# Altium PCB bms_mainboard-1_1.PcbDoc (part 2 of 7)
Units mm, origin at the board's own origin, x right, y up, seen from the top; angles counter-clockwise.
Board outline 287.5 x 127.76 mm, 6 copper layers (L1, L2, L3, L4, L5, L6), stack 1.853 mm thick; 841 components, 653 nets, 2906 pads, 1959 vias.
Unrouted connection lines stored in the file: 199.
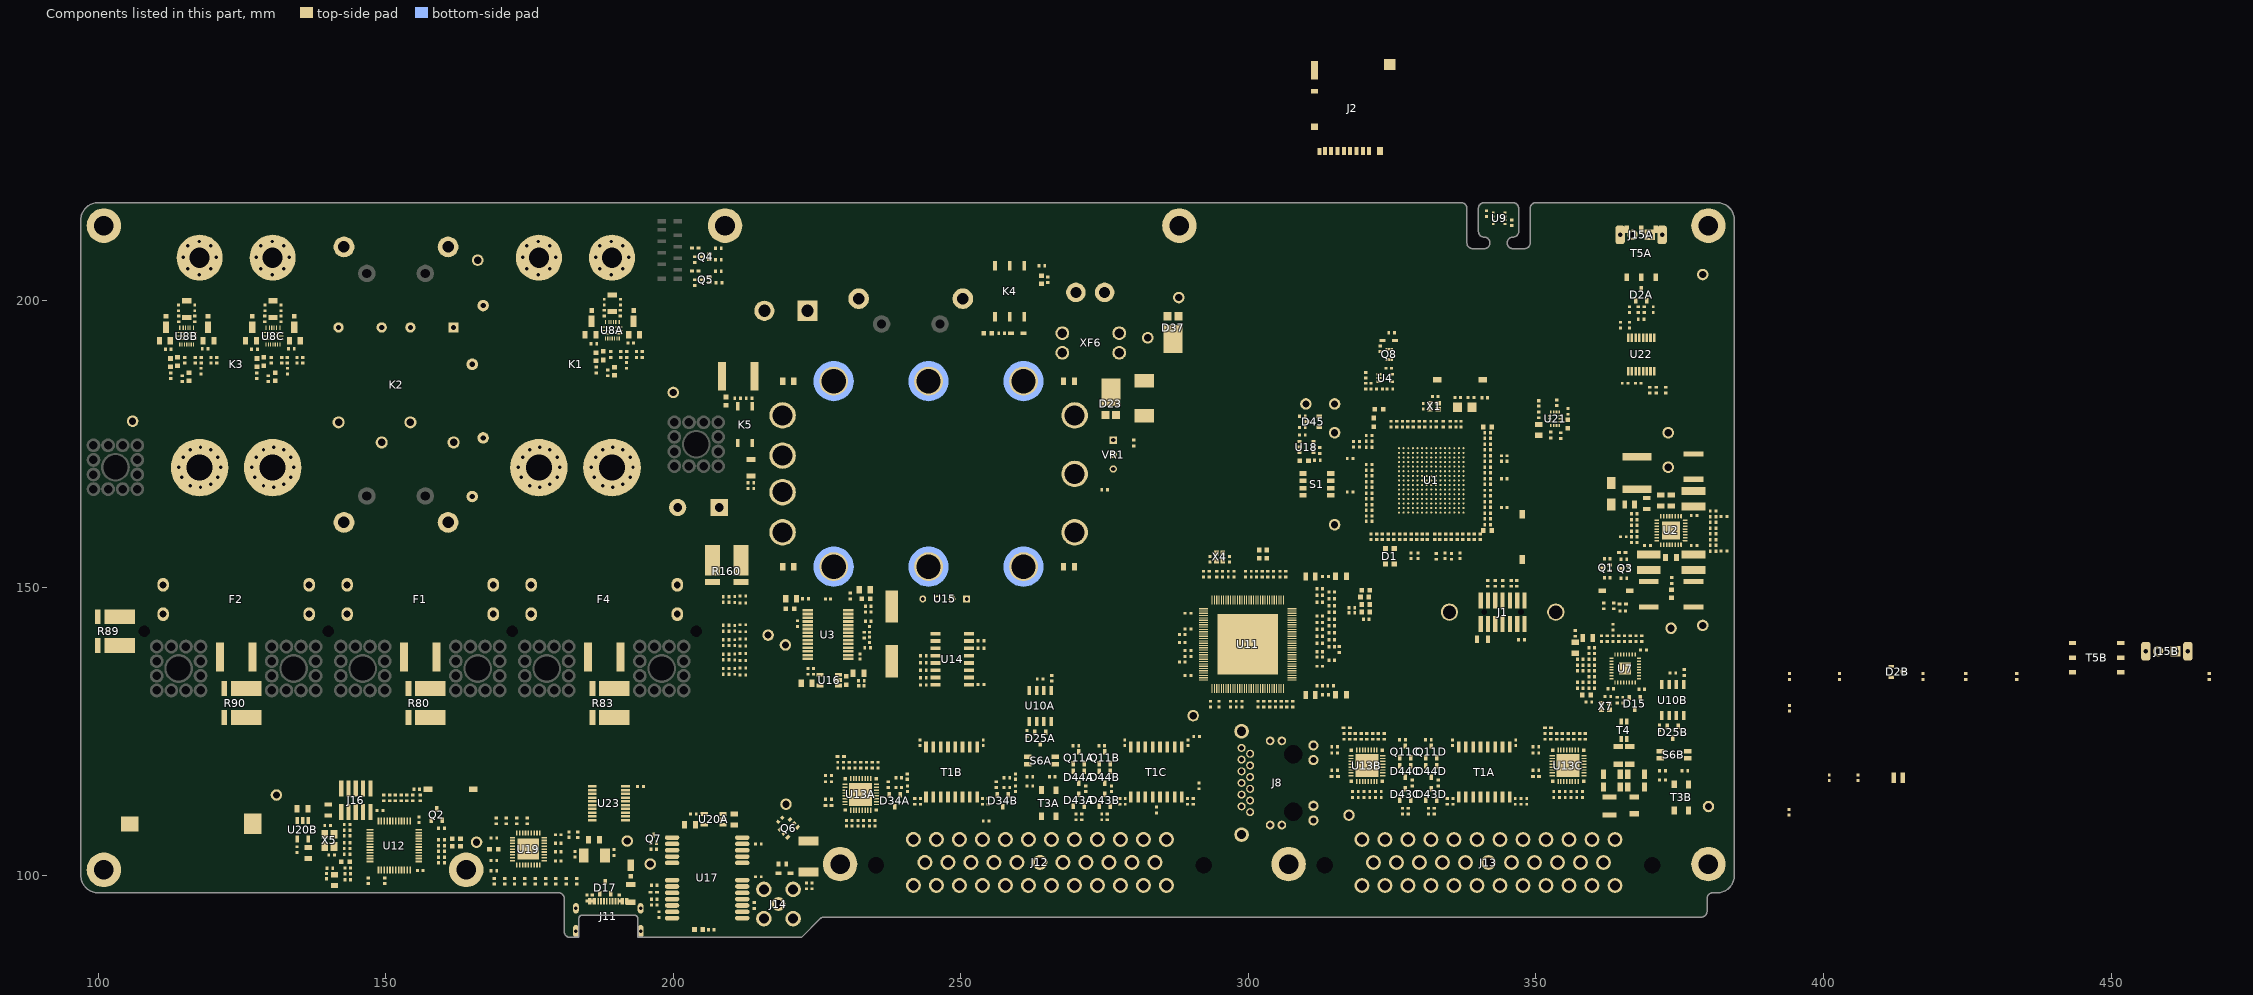
[diagram p6: the components of this part, seen from the top]

## Components (designator, comment, footprint, x,y, rotation, side; value= is the part's Value field where it differs from the comment) (continued)
R130 "0402WGF2201TCE" R0402 314.5,141 r180 top value=2.2k
R131 "0402WGF330JTCE" R0402 314.5,139.8 r180 top value=33
R132 "0402WGF1001TCE" R0402 264.1,206 r0 top value=1k
R133 "0402WGF2201TCE" R0402 315.8,139.3 r270 top value=2.2k
R134 "0402WGF330JTCE" R0402 306.5,152.4 r90 top value=33
R135A "FRC0402F10R0TS" R0402 188,197.8 r90 top value=10 (schematic designator R135)
R135B "FRC0402F10R0TS" R0402 114,196.8 r90 top value=10 (schematic designator R135)
R135C "FRC0402F10R0TS" R0402 129,196.8 r90 top value=10 (schematic designator R135)
R136A "0402WGF1002TCE" R0402 194.6,190.6 r90 top value=10k (schematic designator R136)
R136B "0402WGF1002TCE" R0402 120.6,189.6 r90 top value=10k (schematic designator R136)
R136C "0402WGF1002TCE" R0402 135.6,189.6 r90 top value=10k (schematic designator R136)
R137A "0402WGF1002TCE" R0402 186.2,192.5 r0 top value=10k (schematic designator R137)
R137B "0402WGF1002TCE" R0402 112.2,191.5 r0 top value=10k (schematic designator R137)
R137C "0402WGF1002TCE" R0402 127.2,191.5 r0 top value=10k (schematic designator R137)
R138A "0402WGF4701TCE" R0402 186.6,187.9 r90 top value=4.7k (schematic designator R138)
R138B "0402WGF4701TCE" R0402 112.6,186.9 r90 top value=4.7k (schematic designator R138)
R138C "0402WGF4701TCE" R0402 127.6,186.9 r90 top value=4.7k (schematic designator R138)
R139A "FRC0402F10R0TS" R0402 190.8,197.8 r90 top value=10 (schematic designator R139)
R139B "FRC0402F10R0TS" R0402 116.8,196.8 r90 top value=10 (schematic designator R139)
R139C "FRC0402F10R0TS" R0402 131.8,196.8 r90 top value=10 (schematic designator R139)
R140A "0402WGF1002TCE" R0402 188.6,187.4 r90 top value=10k (schematic designator R140)
R140B "0402WGF1002TCE" R0402 114.6,186.4 r90 top value=10k (schematic designator R140)
R140C "0402WGF1002TCE" R0402 129.6,186.4 r90 top value=10k (schematic designator R140)
R141A "0402WGF1003TCE" R0402 190.9,190.6 r270 top value=100k (schematic designator R141)
R141B "0402WGF1003TCE" R0402 116.9,189.6 r270 top value=100k (schematic designator R141)
R141C "0402WGF1003TCE" R0402 131.9,189.6 r270 top value=100k (schematic designator R141)
R142A "0402WGF0000TCE" R0402 192.6,192.6 r180 top value=0m (schematic designator R142)
R142B "0402WGF0000TCE" R0402 118.6,191.6 r180 top value=0m (schematic designator R142)
R142C "0402WGF0000TCE" R0402 133.6,191.6 r180 top value=0m (schematic designator R142)
R143A "0402WGF1001TCE" R0402 189.1,190.6 r270 top value=1k (schematic designator R143)
R143B "0402WGF1001TCE" R0402 115.1,189.6 r270 top value=1k (schematic designator R143)
R143C "0402WGF1001TCE" R0402 130.1,189.6 r270 top value=1k (schematic designator R143)
R144A "0402WGF1002TCE" R0402 191.9,190.6 r90 top value=10k (schematic designator R144)
R144B "0402WGF1002TCE" R0402 117.9,189.6 r90 top value=10k (schematic designator R144)
R144C "0402WGF1002TCE" R0402 132.9,189.6 r90 top value=10k (schematic designator R144)
R145A "HP06W2F130KT5E" R1206 189.4,199.5 r270 top value=1.3 (schematic designator R145)
R145B "HP06W2F130KT5E" R1206 115.4,198.5 r270 top value=1.3 (schematic designator R145)
R145C "HP06W2F130KT5E" R1206 130.4,198.5 r270 top value=1.3 (schematic designator R145)
R146 "0402WGF1002TCE" R0402 357.7,133.6 r0 top value=10k
R147 "0402WGF1002TCE" R0402 359.7,134.6 r0 top value=10k
R148 "0402WGF1002TCE" R0402 366.4,141.2 r270 top value=10k
R149 "0402WGF330JTCE" R0402 359.7,136.6 r180 top value=33
R150 "0402WGF330JTCE" R0402 359.7,139.6 r180 top value=33
R151 "0402WGF330JTCE" R0402 362.4,141.2 r90 top value=33
R152 "0402WGF330JTCE" R0402 368.4,141.2 r90 top value=33
R153 "0402WGF330JTCE" R0402 359.7,137.6 r180 top value=33
R154 "0402WGF3300TCE" R0402 364.1,130.5 r270 top value=330
R155 "0402WGF1001TCE" R0402 213.2,183 r180 top value=1k
R156 "0402WGF1001TCE" R0402 211.2,183 r180 top value=1k
R157 "0402WGF330JTCE" R0402 359.7,133.6 r180 top value=33
R158 "0402WGF330JTCE" R0402 359.7,132.6 r180 top value=33
R159 "0402WGF330JTCE" R0402 364.4,141.2 r90 top value=33
R160 "WSL27265L000FEB" VISHAY_WSL2726 209.3,153.1 r0 top
R161A "0402WGF330JTCE" R0402 265.8,134.3 r270 top value=33 (schematic designator R161)
R161B "0402WGF330JTCE" R0402 375.8,135.3 r270 top value=33 (schematic designator R161)
R162A "FRC0402F60R4TS" R0402 262,117.2 r0 top value=60.4 (schematic designator R162)
R162B "FRC0402F60R4TS" R0402 372,118.2 r0 top value=60.4 (schematic designator R162)
R163A "FRC0402F60R4TS" R0402 265.9,117.2 r0 top value=60.4 (schematic designator R163)
R163B "FRC0402F60R4TS" R0402 375.9,118.2 r0 top value=60.4 (schematic designator R163)
R164 "0402WGF1001TCE" R0402 303.4,152.4 r270 top value=1k
R165 "0402WGF1001TCE" R0402 302.4,152.4 r270 top value=1k
R166 "CRCW04021R00FKED" R0402 313.4,131.4 r180 top value=1
R167 "CRCW04021R00FKED" R0402 313.4,152 r180 top value=1
R168 "0402WGF1001TCE" R0402 314.5,146.9 r180 top value=1k
R169 "0402WGF1001TCE" R0402 312.4,147.5 r180 top value=1k
R170 "0402WGF1001TCE" R0402 314.5,145.8 r180 top value=1k
R171 "0402WGF1001TCE" R0402 318,146.6 r180 top value=1k
R172 "0402WGF330JTCE" R0402 359.7,135.6 r180 top value=33
R173 "0402WGF330JTCE" R0402 302.7,129.8 r90 top value=33
R174 "0402WGF330JTCE" R0402 303.7,129.8 r90 top value=33
R175 "0402WGF330JTCE" R0402 312.4,133 r180 top value=33
R176 "0402WGF2201TCE" R0402 314.3,133 r180 top value=2.2k
R177 "0402WGF1002TCE" R0402 357.7,135.6 r180 top value=10k
R178 "0402WGF330JTCE" R0402 307.7,129.8 r90 top value=33
R179 "0402WGF330JTCE" R0402 306.7,129.8 r90 top value=33
R180 "0402WGF2201TCE" R0402 305.7,129.8 r270 top value=2.2k
R181 "0402WGF3300TCE" R0402 312.4,144 r0 top value=330
R182 "0402WGF3300TCE" R0402 314.5,144.6 r0 top value=330
R183 "0402WGF1002TCE" R0402 357.7,132.6 r180 top value=10k
R184 "0402WGF1002TCE" R0402 357.7,137.6 r180 top value=10k
R185 "0402WGF1002TCE" R0402 361.4,141.2 r270 top value=10k
R186 "0402WGF3300TCE" R0402 294.5,152.4 r90 top value=330
R187 "0402WGF1002TCE" R0402 357.7,136.6 r180 top value=10k
R188 "0402WGF1002TCE" R0402 312.4,149.9 r180 top value=10k
R189 "0402WGF6041TCE" R0402 293.2,152.4 r90 top value=6.04k
R190 "0402WGF330JTCE" R0402 365.4,141.2 r90 top value=33
R191 "0402WGF330JTCE" R0402 363.4,141.2 r90 top value=33
R192 "0402WGF330JTCE" R0402 368.4,132.4 r0 top value=33
R193 "0402WGF4701TCE" R0402 143.4,100.3 r180 top value=4.7k
R194 "0402WGF4701TCE" R0402 143.4,99.3 r180 top value=4.7k
R195 "0402WGF3300TCE" R0402 143.3,105.7 r180 top value=330
R196 "0402WGF330JTCE" R0402 147,99.1 r90 top value=33
R197 "0402WGF330JTCE" R0402 149.8,99.1 r90 top value=33
R198 "0402WGF1001TCE" R0402 159.7,106.2 r180 top value=1k
R199 "CRCW04021R00FKED" R0402 140.3,101.3 r180 top value=1
R200 "0402WGF1001TCE" R0402 159.7,105.2 r180 top value=1k
R201 "0402WGF1002TCE" R0402 156,113.5 r270 top value=10k
R202 "RC0402FR-07100RL" R0402 153.7,113.5 r270 top value=100
R203 "0402WGF3302TCE" R0402 154.7,113.5 r270 top value=33k
R204 "0402WGF1501TCE" R0402 159.7,108.2 r180 top value=1.5k
R205 "ERJP06F1000V" R0805 140,111.4 r270 top value=100
R206 "0402WGF330JTCE" R0402 151.7,113.5 r90 top value=33
R207 "0402WGF330JTCE" R0402 152.7,113.5 r90 top value=33
R208 "0402WGF330JTCE" R0402 150.7,113.5 r90 top value=33
R209 "0402WGF1002TCE" R0402 143.3,103.7 r0 top value=10k
R210 "0402WGF330JTCE" R0402 155.4,115 r0 top value=33
R211 "0402WGF1001TCE" R0402 149.7,113.5 r90 top value=1k
R212 "0402WGF330JTCE" R0402 159.7,102.2 r180 top value=33
R213 "0402WGF330JTCE" R0402 159.7,103.2 r180 top value=33
R214 "0402WGF330JTCE" R0402 159.7,104.2 r180 top value=33
R215 "0402WGF1002TCE" R0402 143.3,107.9 r180 top value=10k
R216 "0402WGF1002TCE" R0402 143.3,106.9 r180 top value=10k
R217A "0402WGF5101TCE" R0402 237.4,115.8 r90 top value=5.1k (schematic designator R217)
R217B "0402WGF5101TCE" R0402 256.2,115.8 r90 top value=5.1k (schematic designator R217)
R218A "0402WGF5101TCE" R0402 239.2,117 r180 top value=5.1k (schematic designator R218)
R218B "0402WGF5101TCE" R0402 258,117 r180 top value=5.1k (schematic designator R218)
R219A "0402WGF3300TCE" R0402 227,117.4 r0 top value=330 (schematic designator R219)
R219B "0402WGF3300TCE" R0402 315,122.4 r0 top value=330 (schematic designator R219)
R219C "0402WGF3300TCE" R0402 350,122.4 r0 top value=330 (schematic designator R219)
R220A "0402WGF4701TCE" R0402 227,113.3 r180 top value=4.7k (schematic designator R220)
R220B "0402WGF4701TCE" R0402 315,118.3 r180 top value=4.7k (schematic designator R220)
R220C "0402WGF4701TCE" R0402 350,118.3 r180 top value=4.7k (schematic designator R220)
R221A "0402WGF4701TCE" R0402 235.6,119.2 r90 top value=4.7k (schematic designator R221)
R221B "0402WGF4701TCE" R0402 323.6,124.2 r90 top value=4.7k (schematic designator R221)
R221C "0402WGF4701TCE" R0402 358.6,124.2 r90 top value=4.7k (schematic designator R221)
R222A "0402WGF4701TCE" R0402 234.6,119.2 r90 top value=4.7k (schematic designator R222)
R222B "0402WGF4701TCE" R0402 322.6,124.2 r90 top value=4.7k (schematic designator R222)
R222C "0402WGF4701TCE" R0402 357.6,124.2 r90 top value=4.7k (schematic designator R222)
R223A "0402WGF1001TCE" R0402 233.6,119.2 r90 top value=1k (schematic designator R223)
R223B "0402WGF1001TCE" R0402 321.6,124.2 r90 top value=1k (schematic designator R223)
R223C "0402WGF1001TCE" R0402 356.6,124.2 r90 top value=1k (schematic designator R223)
R224A "0402WGF1001TCE" R0402 232.6,119.2 r90 top value=1k (schematic designator R224)
R224B "0402WGF1001TCE" R0402 320.6,124.2 r90 top value=1k (schematic designator R224)
R224C "0402WGF1001TCE" R0402 355.6,124.2 r90 top value=1k (schematic designator R224)
R225A "0402WGF1001TCE" R0402 231.6,119.2 r90 top value=1k (schematic designator R225)
R225B "0402WGF1001TCE" R0402 319.6,124.2 r90 top value=1k (schematic designator R225)
R225C "0402WGF1001TCE" R0402 354.6,124.2 r90 top value=1k (schematic designator R225)
R226A "0402WGF1001TCE" R0402 230.6,119.2 r90 top value=1k (schematic designator R226)
R226B "0402WGF1001TCE" R0402 318.6,124.2 r90 top value=1k (schematic designator R226)
R226C "0402WGF1001TCE" R0402 353.6,124.2 r90 top value=1k (schematic designator R226)
R227A "0402WGF3300TCE" R0402 229.6,119.2 r270 top value=330 (schematic designator R227)
R227B "0402WGF3300TCE" R0402 317.6,124.2 r270 top value=330 (schematic designator R227)
R227C "0402WGF3300TCE" R0402 352.6,124.2 r270 top value=330 (schematic designator R227)
R228 "0402WGF330JTCE" R0402 243.5,138.2 r0 top value=33
R229 "0402WGF330JTCE" R0402 243.5,134.4 r0 top value=33
R230 "0402WGF330JTCE" R0402 243.5,135.7 r0 top value=33
R231 "0402WGF330JTCE" R0402 243.5,137 r0 top value=33
R232 "0402WGF330JTCE" R0402 253.5,140.8 r0 top value=33
R233 "0402WGF330JTCE" R0402 253.5,139.5 r0 top value=33
R234 "CRCW04021R00FKED" R0402 232.7,133.9 r180 top value=1
R235 "1206W4F1002T5E" R1206 363.2,117.6 r180 top value=10k
R236 "1206W4F1002T5E" R1206 367.4,117.6 r0 top value=10k
R237 "FRC1206F49R9TS" R1206 363.2,115.4 r180 top value=49.9
R238 "FRC1206F49R9TS" R1206 367.4,115.4 r0 top value=49.9
R239 "0402WGF1002TCE" R0402 363.4,143.2 r90 top value=10k
R240 "1206W4F1003T5E" R1206 367.1,112.2 r270 top value=100k
R241 "CRCW04021R00FKED" R0402 356.8,142.1 r90 top value=1
R242 "0402WGF1242TCE" R0402 363,132.5 r180 top value=12.4k
R243 "0402WGF330JTCE" R0402 345.8,213.5 r90 top value=33
R244 "0402WGF330JTCE" R0402 196.7,98.3 r180 top value=33
R245 "RTT2510R0FTE" R2512 223.5,103.3 r90 top value=10
R246 "0402WGF1002TCE" R0402 218.6,109.7 r45 top value=10k
R247 "0402WGF330JTCE" R0402 214.1,94.8 r90 top value=33
R248 "0402WGF1001TCE" R0402 196.6,104.6 r0 top value=1k
R250 "0402WGF1002TCE" R0402 196.7,95.9 r180 top value=10k
R251 "0402WGF3300TCE" R0402 312,172.2 r0 top value=330
R252 "0402WGF2201TCE" R0402 309.4,176.6 r180 top value=2.2k
R253 "0402WGF1001TCE" R0402 312.4,173.9 r270 top value=1k
R254 "0402WGF3300TCE" R0402 309.4,179.9 r0 top value=330
R255 "0402WGF1002TCE" R0402 172.8,109.5 r270 top value=10k
R256 "0402WGF1002TCE" R0402 174.6,109.5 r270 top value=10k
R257 "0402WGF1002TCE" R0402 168.8,100.8 r180 top value=10k
R258 "0402WGF330JTCE" R0402 330.7,178.5 r270 top value=33
R259 "0402WGF330JTCE" R0402 323.3,158.9 r90 top value=33
R260 "0402WGF330JTCE" R0402 337.3,158.9 r90 top value=33
R261 "0402WGF330JTCE" R0402 335.3,158.9 r90 top value=33
R262 "0402WGF330JTCE" R0402 338.3,158.9 r90 top value=33
R263 "0402WGF330JTCE" R0402 347.5,141 r0 top value=33
R264A "0402WGF1002TCE" R0402 270,122.6 r180 top value=10k (schematic designator R264)
R264B "0402WGF1002TCE" R0402 274.5,122.6 r180 top value=10k (schematic designator R264)
R264C "0402WGF1002TCE" R0402 326.8,123.6 r180 top value=10k (schematic designator R264)
R264D "0402WGF1002TCE" R0402 331.3,123.6 r180 top value=10k (schematic designator R264)
R265A "0402WGF1002TCE" R0402 271.7,115.1 r270 top value=10k (schematic designator R265)
R265B "0402WGF1002TCE" R0402 276.2,115.1 r270 top value=10k (schematic designator R265)
R265C "0402WGF1002TCE" R0402 328.5,116.1 r270 top value=10k (schematic designator R265)
R265D "0402WGF1002TCE" R0402 333,116.1 r270 top value=10k (schematic designator R265)
R266A "0402WGF1001TCE" R0402 271,110.2 r90 top value=1k (schematic designator R266)
R266B "0402WGF1001TCE" R0402 275.5,110.2 r90 top value=1k (schematic designator R266)
R266C "0402WGF1001TCE" R0402 327.8,111.2 r90 top value=1k (schematic designator R266)
R266D "0402WGF1001TCE" R0402 332.3,111.2 r90 top value=1k (schematic designator R266)
R267 "CRCW040249K9FKEDC" R0402 179.6,99 r90 top value=49.9k
R268 "0402WGF1003TCE" R0402 181.4,99 r90 top value=100k
R269 "0402WGF1002TCE" R0402 177.8,99 r90 top value=10k
R270 "0402WGF1002TCE" R0402 183.2,99 r90 top value=10k
R271 "0402WGF1002TCE" R0402 170.7,99 r90 top value=10k
R272 "CRCW04021R00FKED" R0402 183.4,107.1 r270 top value=1
R273 "0402WGF1002TCE" R0402 171,109.5 r270 top value=10k
R274 "0402WGF1002TCE" R0402 169.2,109.5 r270 top value=10k
R275 "0402WGF3300TCE" R0402 180,104.1 r180 top value=330
R276 "0402WGF1002TCE" R0402 168.9,99 r270 top value=10k
R277 "0402WGF1002TCE" R0402 176,99 r270 top value=10k
R278 "0402WGF1002TCE" R0402 174.2,99 r270 top value=10k
R279 "0402WGF1202TCE" R0402 180,105.6 r0 top value=12k
R280 "0402WGF330JTCE" R0402 329.3,158.9 r270 top value=33
R281 "CRCW04021R00FKED" R0402 350.5,180.1 r90 top value=1
R282 "0402WGF330JTCE" R0402 352.6,176.6 r90 top value=33
R283 "0402WGF330JTCE" R0402 354.3,176.5 r90 top value=33
R284 "0402WGF330JTCE" R0402 353.6,182.2 r90 top value=33
R285 "0402WGF330JTCE" R0402 312.4,148.7 r180 top value=33
R286 "0402WGF330JTCE" R0402 314.5,148.1 r0 top value=33
R287 "0402WGF330JTCE" R0402 331.1,158.9 r90 top value=33
R288 "0402WGF1002TCE" R0402 369.8,184.4 r270 top value=10k
R289 "0402WGF1002TCE" R0402 370.9,184.4 r270 top value=10k
R290 "0402WGF330JTCE" R0402 372.6,184.4 r270 top value=33
R291A "0402WGF499JTCE" R0402 368.8,198.4 r90 top value=49.9 (schematic designator R291)
R291B "0402WGF499JTCE" R0402 467.099,134.6 r90 top value=49.9 (schematic designator R291)
R292A "0402WGF1001TCE" R0402 368.3,196.7 r0 top value=1k (schematic designator R292)
R292B "0402WGF1001TCE" R0402 433.599,134.6 r90 top value=1k (schematic designator R292)
R293A "0402WGF499JTCE" R0402 367.8,198.4 r90 top value=49.9 (schematic designator R293)
R293B "0402WGF499JTCE" R0402 424.699,134.6 r90 top value=49.9 (schematic designator R293)
R294 "0402WGF330JTCE" R0402 341.6,166 r180 top value=33
S1 "CHS-04TA" SWITCH_NIDEC_CHS-04TA 311.9,168 r90 top
S2 "TS-1092S-B3D2-G" SWITCH_TS-1092S-B3D2-G 347.6,158.9 r270 top
S3 "TS-1092S-B3D2-G" SWITCH_TS-1092S-B3D2-G 336.8,186.2 r180 top
S4 "CHS-01TA" SWITCH_NIDEC_CHS-01TA 363.9,149.5 r90 top
S6A "CHS-02TA" SWITCH_NIDEC_CHS-02TA 264,120 r90 top (schematic designator S6)
S6B "CHS-02TA" SWITCH_NIDEC_CHS-02TA 374,121 r90 top (schematic designator S6)
S7 "TS-1092S-B3D2-G" SWITCH_TS-1092S-B3D2-G 161.3,115 r180 top
T1A "H1102NL" EPCOS_LAN_MODULE 341,118 r180 top (schematic designator T1)
T1B "H1102NL" EPCOS_LAN_MODULE 248.4,118 r180 top (schematic designator T1)
T1C "H1102NL" EPCOS_LAN_MODULE 284,118 r180 top (schematic designator T1)
T3A "CHOKE_ACT45B-101-2P-TL003" CHOKE_ACT45B-101-2P-TL003 265.3,112.6 r270 top (schematic designator T3)
T3B "CHOKE_ACT45B-101-2P-TL003" CHOKE_ACT45B-101-2P-TL003 375.3,113.6 r270 top (schematic designator T3)
T4 "ACT1210D-131-2P-TL00" CHOKE_ACT1210D-131-2P-TL00 365.3,125.3 r270 top
T5A "SM91502ALA-E" BOURNS_SM91502 368.3,208.2 r90 top (schematic designator T5)
T5B "SM91502ALA-E" BOURNS_SM91502 447.499,137.9 r0 top (schematic designator T5)
TP1 "RH-5002" TP_RH-5002 315,182 r270 top
TP2 "RH-5002" TP_RH-5002 315,177 r270 top
TP3 "RH-5000" TP_RH-5000 200,184 r90 top
TP4 "RH-5002" TP_RH-5002 219.6,112.4 r0 top
TP32 "RH-5000" TP_RH-5000 282.5,193.5 r90 top
TP33 "RH-5000" TP_RH-5000 373,171 r90 top
TP34 "RH-5000" TP_RH-5000 166,207 r90 top
TP35 "RH-5000" TP_RH-5000 373.5,143 r90 top
TP36 "RH-5000" TP_RH-5000 317.5,110.5 r90 top
TP37 "RH-5000" TP_RH-5000 379,143.5 r90 top
TP39 "RH-5001" TP_RH-5001 380,112 r90 top
TP41 "RH-5001" TP_RH-5001 379,204.5 r90 top
TP43 "RH-5001" TP_RH-5001 373,177 r90 top
TP45 "RH-5001" TP_RH-5001 131,114 r90 top
TP46 "RH-5001" TP_RH-5001 290.4,127.8 r90 top
TP47 "RH-5001" TP_RH-5001 287.9,200.5 r90 top
TP48 "RH-5001" TP_RH-5001 196,102 r90 top
TP51 "RH-5000" TP_RH-5000 310,182 r0 top
TP52 "RH-5001" TP_RH-5001 315,161 r0 top
TP71 "RH-5000" TP_RH-5000 219.5,140.1 r0 top
TP72 "RH-5001" TP_RH-5001 216.5,141.8 r0 top
TP79 "RH-5001" TP_RH-5001 106,179 r180 top
TP89 "RH-5000" TP_RH-5000 192,106 r90 top
TP90 "RH-5000" TP_RH-5000 165.8,105.8 r90 top
U1 "STM32H5F5LJH7Q" ST_TFBGA225 331.8,168.7 r270 top
U2 "TPS65263QRHBRQ1" TI_RHB 373.475,160 r0 top
U3 "MCP3913BA1-E/SS" 28SSOP65 226.9,141.9 r0 top
U4 "TLV379IDCKR" 5SC70 323.8,186.5 r0 top
U6 "CONV_DCDC_VICOR_MICRO_SOCKET_TEMPLATE" VICOR_MICRO_SOCKET_TEMPLATE 219,180 r0 top
U7 "LAN8670C2T-E/LMX" QFN50P500X500X90-32N 365.5,136 r180 top
U8A "MP6519GQ-Z" MP6519 189.4,194.8 r180 top (schematic designator U8)
U8B "MP6519GQ-Z" MP6519 115.4,193.8 r180 top (schematic designator U8)
U8C "MP6519GQ-Z" MP6519 130.4,193.8 r180 top (schematic designator U8)
U9 "BME280" BOSCH_BME280 343.6,214.3 r0 top
U10A "TCAN1462VDRQ1" 8SOIC150 263.8,129.5 r270 top (schematic designator U10)
U10B "TCAN1462VDRQ1" 8SOIC150 373.8,130.5 r270 top (schematic designator U10)
U11 "KSZ8567RTXV-VAO" MICROCHIP_C04-418B_128TQFP_14X14_10X10EP 299.9,140.2 r0 top
U12 "STM32F103CBT6" 48TQFP7 151.5,105.2 r0 top
U13A "VN9E30FTR" ST_ECOPACK_QFN50P600X600X90-32N 232.6,114.1 r180 top (schematic designator U13)
U13B "VN9E30FTR" ST_ECOPACK_QFN50P600X600X90-32N 320.6,119.1 r180 top (schematic designator U13)
U13C "VN9E30FTR" ST_ECOPACK_QFN50P600X600X90-32N 355.6,119.1 r180 top (schematic designator U13)
U14 "SI8662BB-B-IS1" 16SOIC150 248.5,137.6 r180 top
U15 "ROL-0505S" 4SIP 247.2,148.1 r180 top
U16 "TPS79933QDDCRQ1" 5SOT23 227.1,134 r180 top
U17 "LC29HEAMD" QUECTEL_LC29H 205.9,99.6 r180 top
U18 "MCP1502T-25E/CHY" 6SOT23 310.1,174.5 r180 top
U19 "USB2534I-1080AEN" QFN50P600X600X90-36N 174.8,104.6 r270 top
U20A "TPS79933QDDCRQ1" 5SOT23 207,109.75 r180 top (schematic designator U20)
U20B "TPS79933QDDCRQ1" 5SOT23 135.55,108 r270 top (schematic designator U20)
U21 "ISM330DLC" ST_LGA-14L 353.325,179.426 r90 top
U22 "BQ79600PWRQ1" TI_PW0016A 368.3,190.6 r90 top
U23 "SN74CB3Q3345PWR" TI_PW0020A 188.8,112.6 r0 top
VR1 "67WR1KLF" TT_67W 276.5,173.2 r270 top value=1kR
X1 "XTAL_XRCGB25M000F3A00R0" 4_SMD_2.0X1.6MM 332.3,181.6 r0 top
X2 "XTAL_9HT10-32.768KEZF-T" XTAL_TXC_9HT10 337.625,181.4 r0 top
X3 "ABLS2-4.000MHZ-D4Y-T" XTAL_HC49US_SMD 238,142 r90 top
X4 "XRCGB25M000F3A00R0" 4_SMD_2.0X1.6MM 295,155.4 r270 top
X5 "ECS-80-8-33Q-JES-TR" 4_SMD_3.2X2.5MM 140.2,106.1 r90 top
X6 "TAXM24M2QLFCDT1T" XTAL_TXC_7A 186.3,103.5 r0 top
X7 "XTAL_XRCGB25M000F3A00R0" 4_SMD_2.0X1.6MM 362.1,129.4 r0 top
XF6 "3568" FUSEHOLDER_KEYSTONE_3568 272.6,192.6 r0 top
